# Allegro board 08_038702e.brd (continued)
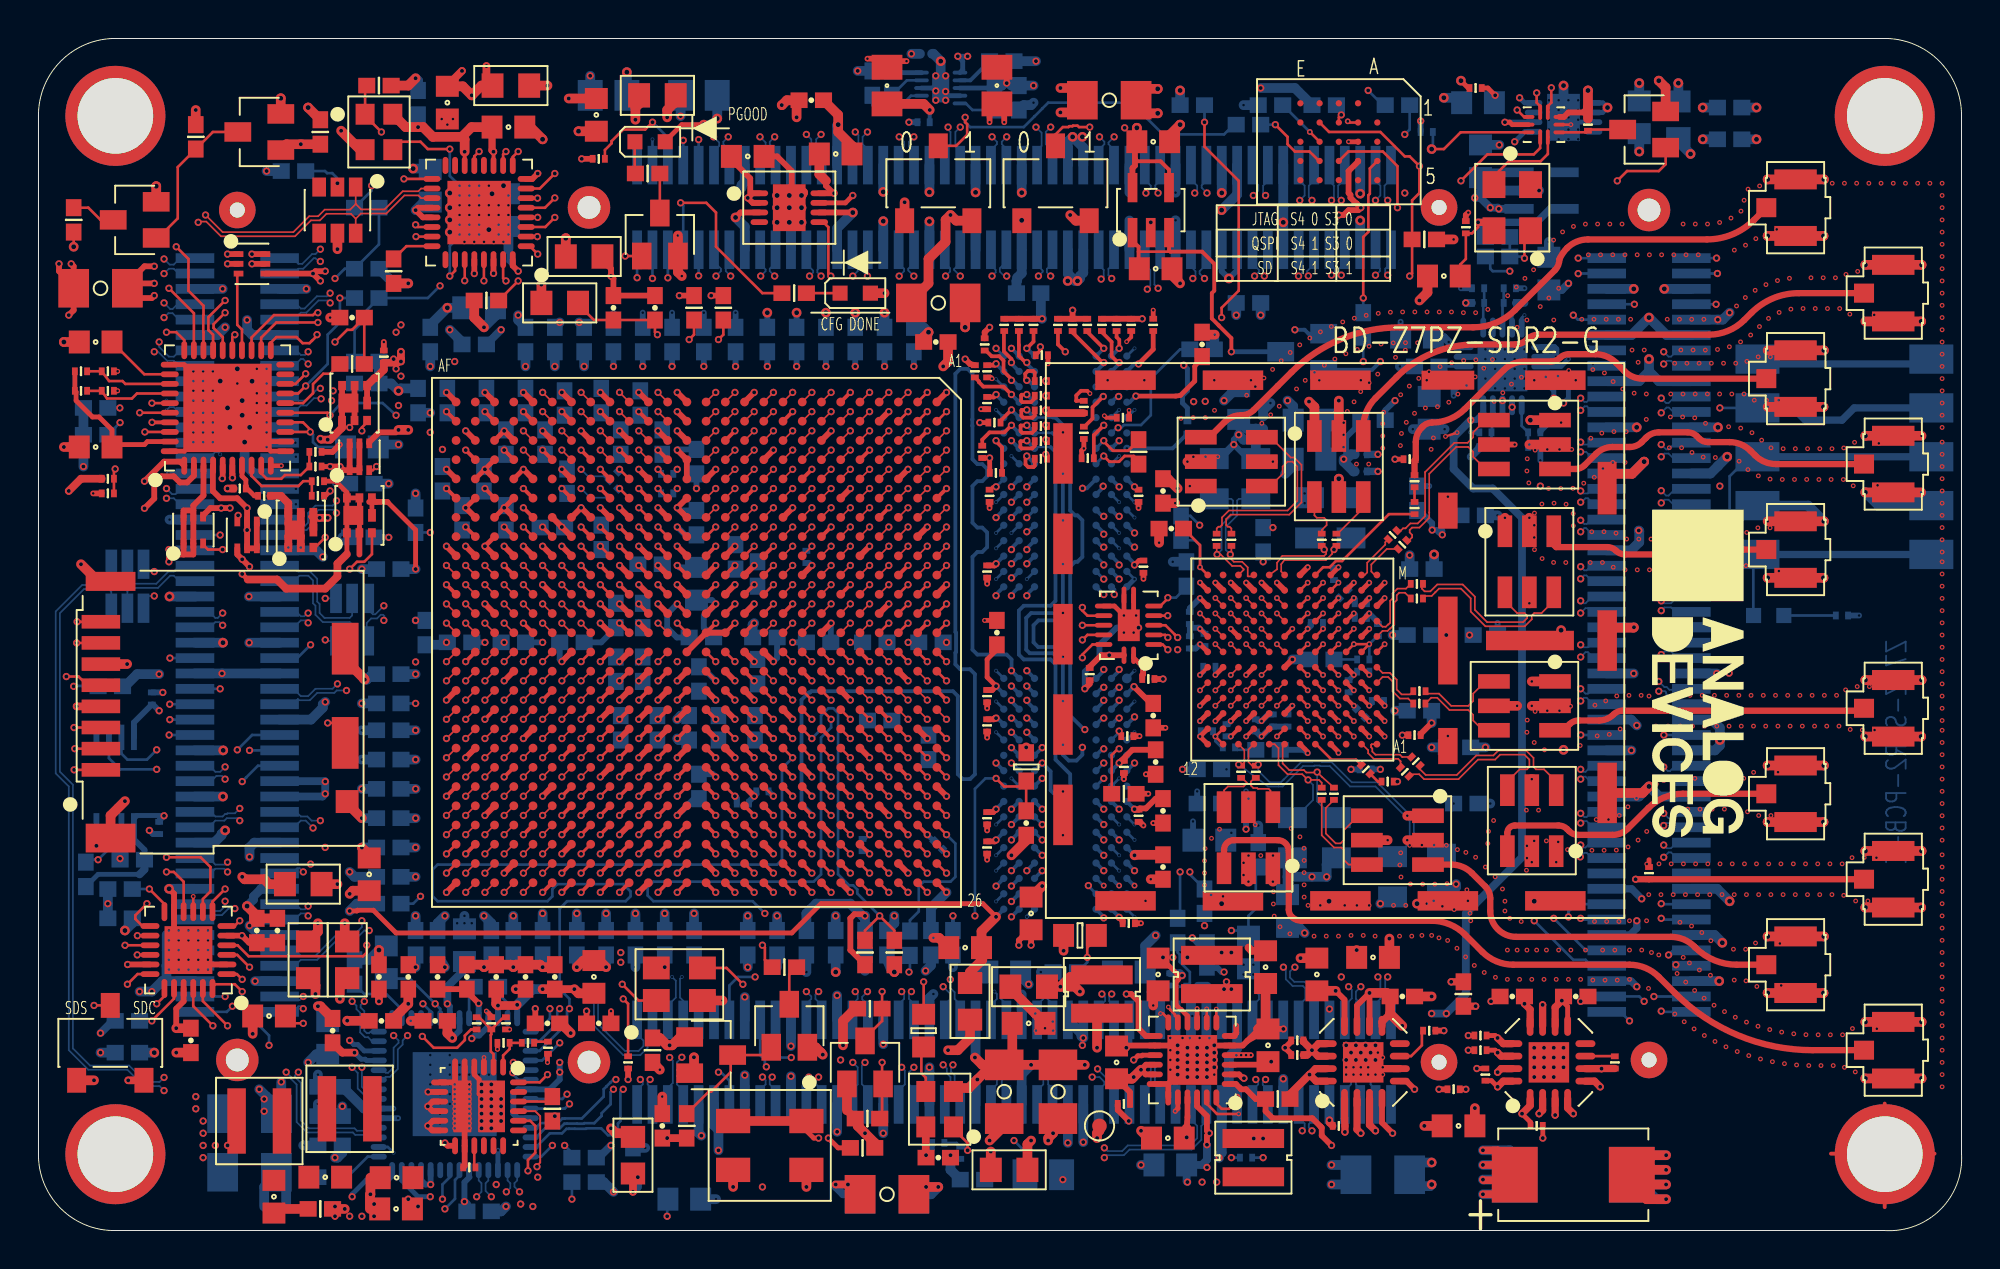
[diagram p0: board, top side]
## Routing (per net, layer and track width the routed paths; a pad name or vN(x,y) marks a point on that pad's centre or on a via; arc(x,y) is an arc through that point) (continued)
JX_VCCO_13_SEQ: length 4.7
  TOP w0.14: R71.1 R72.2 13.77,38.97 13.51,38.72 11.61,38.72 11.08,39.24 U7.8
JX_VCCO_33_34: length 14.4
  TOP w0.254: R73.1 v1(15.17,39.73)
  TOP w0.305: Q10.5 Q10.2 Q10.1 ; Q10.1 Q10.6 ; Q10.1 15.86,39.54 v1(15.67,39.73) v1(15.17,39.73)
  L14_SIG w0.508: v1(15.67,39.73) v1(15.17,39.73)
  BOTTOM w0.508: JX2.79 62.33,9.47 61.9,9.04 61.9,7.22 61.52,6.84 61.52,6.56 JX2.78 ; JX2.80 v1(62.33,6.92) 62.28,6.97 61.77,6.97 61.53,6.72 JX2.78 ; v1(61.39,3.79) 61.39,3.92 61.53,4.05 JX2.78
JX_VCCO_33_34_SEQ: length 4
  TOP w0.14: R74.1 R73.2 13.64,39.29 12.82,39.29 12.63,39.1 11.86,39.1 11.58,39.38 U7.9
JX_VIN: length 29.7
  TOP w0.305: Q13.1 15.79,42.71 Q13.PAD1 ; Q13.5 16.44,43.36 Q13.PAD1 ; Q13.PAD1 16.44,42.71 Q13.2 ; Q13.PAD1 15.79,43.36 Q13.6
  TOP w0.406: Q13.1 15.79,41.75 15.17,41.13 v1(15.04,41.13) 14.71,41.13 v1(14.66,41.18)
  L7_SIG w0.406: v1(54.33,10.01) 54.28,9.97 v1(54.28,9.63) 54.28,9.3 53.9,8.92 53.9,6.46 54.33,6.03 v1(54.33,4.6)
  L17_SIG w0.406: v1(53.53,4.56) 54.29,4.56 v1(54.33,4.6)
  BOTTOM w0.203: v1(65.33,46.84) 65.84,46.84 66.04,46.64 D1.1
  BOTTOM w0.254: JX2.59 v1(54.33,10.01)
  BOTTOM w0.508: JX1.60 54.33,49.81 54.15,49.64 54.15,49.51 v5(54.03,49.38) 53.9,49.38 53.53,49.76 JX1.58 ; JX1.59 54.33,56.32 v5(53.77,56.88) 53.53,56.63 JX1.57 ; v1(35.36,4.17) 35.36,5.23 35.13,5.47 JX2.12 ; v1(53.53,4.56) JX2.58 ; v1(54.33,10.01) 54.24,10.11 54.24,10.23 53.53,10.94 JX2.57 ; JX2.60 v1(54.33,4.6)
  vias: v1(15.24,43.16) v1(15.32,43.67) v1(16.18,41.76) v3(58.73,21.7) v3(59.23,21.7) v5(53.52,49.38) v5(54.28,56.88)
MGTAVCC: length 10.5
  TOP w0.203: U1.AD6 v1(23.22,38.59) ; U1.AB6 v1(25.22,38.59) ; U1.T6 v1(31.22,38.59) ; U1.U4 v1(30.22,40.59) ; U1.R4 v1(32.22,40.59) ; U1.AA8 v1(26.22,36.59) ; U1.AC8 v1(24.22,36.59) ; U1.AE8 v1(22.22,36.59) ; U1.AA4 v1(26.22,40.59) ; U1.Y6 v1(27.22,38.59)
  TOP w0.305: Q8.4 8.56,37.19 8.94,37.57 v1(9.5,37.57) v1(9.96,37.57)
  BOTTOM w0.305: C222.1 v1(18.21,36.05)
  BOTTOM w0.508: v1(26.22,40.59) 26.34,40.46 C64.1 ; C220.1 v1(18.21,38.84)
MGTAVCC_EN: length 16.3
  TOP w0.14: v1(9.58,35.41) 8.82,35.41 8.56,35.67 Q8.3 ; v1(10.21,46.59) 10.08,46.46 U7.25
  L3_SIG w0.095: v1(10.21,46.59) 11.74,45.07 11.74,37.7 10.81,36.77 9.41,36.77 8.94,36.3 8.94,35.67 9.2,35.41 v1(9.58,35.41)
MGTAVTT: length 11.4
  TOP w0.203: U1.W4 v1(28.22,40.59) ; U1.AB7 v1(25.22,37.59) ; U1.AF6 v1(21.22,38.59) ; U1.AF2 v1(21.22,42.59) ; U1.Y2 v1(27.22,42.59) ; U1.V2 v1(29.22,42.59) ; U1.AD2 v1(23.22,42.59) ; U1.T2 v1(31.22,42.59) ; U1.AC4 v1(24.22,40.59) ; U1.AB2 v1(25.22,42.59) ; U1.AE4 v1(22.22,40.59)
  TOP w0.305: v1(10.97,34.53) v1(10.59,34.91) 10.34,35.16 Q7.4
  BOTTOM w0.508: C221.1 v1(20.37,42.53) ; 19.61,37.57 v1(19.61,38.34) ; v1(24.22,40.59) 24.31,40.49 C234.1 ; C223.1 v1(20.37,44.94)
MGTAVTT_EN: length 14.7
  TOP w0.14: U7.26 9.58,46.46 9.1,46.94 9.1,47.13 v1(9.7,47.73) ; v1(10.38,37.19) 10.34,37.15 Q7.3
  L3_SIG w0.095: v1(10.38,37.19) 10.38,37.62 11.12,38.36 11.12,41.34 11.38,41.6 11.38,41.94 11.1,42.22 11.1,43.42 9.7,44.81 9.7,46.49 9.36,46.83 9.36,47.11 9.7,47.45 v1(9.7,47.73)
MGTREFCLK0_112_JX1_N: length 66.9
  L14_SIG w0.089: v1(33.22,39.59) 33.58,39.22 33.86,39.22 34.22,39.58 34.22,43.69 33.82,44.08 33.82,45.18 34.6,45.96 36.27,45.96 36.76,46.44 36.76,48.35 37.16,48.75 39.2,48.75 39.31,48.85 39.31,51.3 39.8,51.8 41.96,51.8 43.31,53.15 44.89,53.15 44.9,53.14 45.18,53.14 45.44,53.4 45.85,53.4 46.05,53.6 46.49,53.6 47.73,54.85 56.08,54.85 57.6,56.37 58.7,56.37 59.11,55.97 59.11,55.08 59.21,54.97 60.14,54.97 60.25,55.08 60.25,55.97 60.65,56.37 62.01,56.37 62.41,55.97 62.41,54.57 62.51,54.46 63.32,54.46 63.43,54.57 63.43,55.97 63.83,56.37 71.05,56.37 71.3,56.12 71.3,55.1 71.05,54.85 66.47,54.85 66.22,54.59 v1(66.22,53.58)
  BOTTOM w0.089: v1(66.22,53.58) 66.05,53.74 66.05,54.34 66.33,54.61 JX1.89 ; C45.1 33.01,39.38 v1(33.22,39.59)
MGTREFCLK0_112_JX1_P: length 66.8
  L14_SIG w0.089: v1(65.58,53.58) 65.97,53.96 65.97,54.08 65.84,54.21 65.84,54.46 65.97,54.59 65.97,54.7 66.37,55.1 66.53,55.1 66.53,55.1 70.94,55.1 71.05,55.2 71.05,56.01 70.94,56.12 63.93,56.12 63.68,55.86 63.68,54.46 63.43,54.21 62.41,54.21 62.16,54.46 62.16,55.86 61.9,56.12 60.76,56.12 60.5,55.86 60.5,54.97 60.25,54.72 59.11,54.72 58.85,54.97 58.85,55.86 58.6,56.12 57.71,56.12 56.19,54.59 47.84,54.59 46.6,53.35 46.16,53.35 45.96,53.15 45.55,53.15 45.28,52.89 44.79,52.89 44.79,52.89 43.42,52.89 42.07,51.54 39.91,51.54 39.56,51.19 39.56,48.75 39.31,48.5 37.26,48.5 37.01,48.24 37.01,46.34 36.37,45.7 34.7,45.7 34.08,45.08 34.08,44.19 34.47,43.8 34.47,39.48 33.96,38.97 33.58,38.97 33.58,38.95 v1(33.22,38.59)
  BOTTOM w0.089: C47.1 33.01,38.38 v1(33.22,38.59) ; v1(65.58,53.58) 65.84,53.83 65.84,54.34 65.53,54.65 JX1.87
MGTREFCLK1_112_JX3_N: length 68.5
  L3_SIG w0.089: v1(13.77,12.17) 13.58,11.98 13.01,11.98 12.77,11.75 12.77,10.91 14.53,9.15 14.53,4.58 14.93,4.17 15.93,4.17 16.18,3.92 16.18,3.56 16.58,3.16 17.83,3.16 18.09,3.41 18.09,10.9 18.3,11.11 18.3,12.06 18.49,12.26 19.95,12.26 20.37,12.68 22.26,12.68 22.66,13.08 22.66,16.62 22.15,17.13 20.75,17.13 20.5,17.38 20.5,35.56 20.73,35.8 20.95,35.8 21.08,35.92 29.46,35.92 29.88,36.34 29.88,38.84 29.49,39.22 28.69,39.22 28.68,39.22 28.59,39.22 v1(28.22,39.59)
  BOTTOM w0.089: v1(13.77,12.17) 13.58,11.98 13.45,11.98 13.26,12.17 JX3.4 ; v1(28.22,39.59) 28.58,39.22 29.39,39.22 29.61,39 C48.1
MGTREFCLK1_112_JX3_P: length 68.4
  L3_SIG w0.089: v1(28.22,38.59) 27.96,38.34 27.83,38.34 27.74,38.42 27.74,38.97 27.92,39.15 28.3,39.15 28.48,38.96 28.78,38.96 28.79,38.97 29.39,38.97 29.63,38.73 29.63,36.45 29.36,36.18 20.97,36.18 20.84,36.05 20.63,36.05 20.25,35.67 20.25,17.28 20.65,16.87 22.04,16.87 22.4,16.51 22.4,13.19 22.15,12.94 20.27,12.94 19.84,12.51 18.39,12.51 18.04,12.16 18.04,11.22 17.83,11.01 17.83,3.52 17.73,3.41 16.69,3.41 16.44,3.66 16.44,4.02 16.03,4.43 15.04,4.43 14.78,4.68 14.78,9.25 13.02,11.01 13.02,11.64 13.11,11.73 13.58,11.73 v1(13.77,11.54)
  BOTTOM w0.089: C46.1 28.69,38.11 v1(28.22,38.59) ; v1(13.77,11.54) 13.64,11.67 13.51,11.67 13.22,11.37 JX3.2
MGTXRX0_112_JX1_N: length 66.8
  TOP w0.089: U1.AB3 v1(25.22,41.59)
  L6_SIG w0.089: v1(66.03,49.65) 66.35,49.33 66.35,49.18 66.17,49 65.97,49 65.84,48.88 65.84,47.99 65.44,47.59 65.19,47.59 64.61,47.02 63.31,47.02 63.22,47.1 62.61,47.1 62.53,47.02 61.89,47.02 61.77,46.89 61.38,46.89 61.16,46.86 59.61,46.86 59.38,47.1 58.71,47.1 58.47,46.86 57.68,46.86 57.64,46.83 57.15,46.83 56.87,47.1 55.32,47.1 55.06,47.35 55.06,48.24 54.81,48.5 52.99,48.5 52.48,47.99 45.39,47.99 44.38,46.97 36.99,46.97 35.72,45.7 20.1,45.7 19.99,45.6 19.99,39.33 20.1,39.22 21.54,39.22 21.64,39.33 21.64,40.33 21.63,40.34 21.63,40.83 21.97,41.18 22.04,41.25 24.88,41.25 v1(25.22,41.59)
  BOTTOM w0.089: JX1.90 66.33,50.25 65.97,49.89 65.97,49.71 v1(66.03,49.65)
MGTXRX0_112_JX1_P: length 66.8
  TOP w0.089: U1.AB4 v1(25.22,40.59)
  L6_SIG w0.089: v1(25.22,40.59) 24.81,41 22.15,41 22.08,40.92 22.08,40.92 21.88,40.73 21.88,40.45 21.9,40.43 21.9,39.22 21.64,38.97 19.99,38.97 19.74,39.22 19.74,45.7 19.99,45.96 35.61,45.96 36.88,47.23 44.25,47.23 45.26,48.24 52.38,48.24 52.88,48.75 54.71,48.75 54.92,48.75 55.32,48.35 55.32,47.46 55.42,47.35 56.98,47.35 57.25,47.08 57.53,47.08 57.57,47.12 58.37,47.12 58.6,47.35 59.48,47.35 59.72,47.12 61.15,47.12 61.16,47.12 61.19,47.14 61.66,47.14 61.79,47.27 62.42,47.27 62.5,47.35 63.33,47.35 63.41,47.27 64.51,47.27 65.09,47.85 65.34,47.85 65.58,48.09 65.58,49.57 v1(65.52,49.64)
  BOTTOM w0.089: JX1.88 65.53,50.11 65.75,49.89 65.75,49.87 v1(65.52,49.64)
MGTXRX1_112_JX1_N: length 67.9
  TOP w0.089: U1.Y3 v1(27.22,41.59)
  L4_SIG w0.089: v1(67.74,53.58) 67.74,53.91 67.62,54.03 67.62,54.57 66.83,55.35 36.08,55.35 30.54,49.81 30.54,49.75 28.65,47.86 27.76,47.86 27.44,47.54 27.44,47.09 27.36,47 27.36,46.1 27.76,45.7 33.22,45.7 33.83,45.09 33.83,40.6 33.47,40.24 29.09,40.24 28.81,40.52 28.81,40.83 28.46,41.18 27.82,41.18 27.78,41.22 27.59,41.22 v1(27.22,41.59)
  BOTTOM w0.089: v1(67.74,53.58) 67.58,53.74 67.58,54.34 67.93,54.69 JX1.93
MGTXRX1_112_JX1_P: length 68
  TOP w0.089: U1.Y4 v1(27.22,40.59)
  L4_SIG w0.089: v1(67.24,53.58) 67.24,53.91 67.36,54.03 67.36,54.46 66.73,55.1 36.19,55.1 30.79,49.7 30.79,49.64 28.75,47.61 27.87,47.61 27.69,47.44 27.69,46.98 27.61,46.9 27.61,46.21 27.87,45.96 33.33,45.96 34.09,45.19 34.09,40.49 33.58,39.99 28.98,39.99 28.55,40.42 28.55,40.73 28.35,40.92 27.71,40.92 27.68,40.96 27.48,40.96 27.34,41.11 27.21,41.11 27.1,41 27.1,40.7 v1(27.22,40.59)
  BOTTOM w0.089: JX1.91 67.13,54.57 67.36,54.34 67.36,53.7 v1(67.24,53.58)
MGTXRX2_112_JX1_N: length 66.8
  TOP w0.089: U1.V3 v1(29.22,41.59)
  L6_SIG w0.089: v1(29.22,41.59) 28.88,41.25 27.08,41.25 26.88,41.45 26.88,41.76 26.46,42.18 22,42.18 21.9,42.28 21.9,43.82 22,43.92 32.31,43.92 32.31,43.92 32.35,43.92 32.55,43.73 32.55,43.68 32.56,43.67 32.56,42.25 32.82,42 34.09,42 34.34,42.25 34.34,43.67 34.6,43.92 36.35,43.92 38.38,45.96 49.18,45.96 49.46,46.23 51.9,46.23 51.96,46.29 52.24,46.29 52.29,46.23 63.94,46.23 64.86,45.31 66.95,45.31 67.74,46.1 67.74,48.88 67.87,49 68,49 68.2,49.21 68.2,49.38 68.07,49.51 67.92,49.51 v1(67.74,49.69)
  BOTTOM w0.089: v1(67.74,49.69) 67.62,49.81 67.62,50.02 67.93,50.33 JX1.94
MGTXRX2_112_JX1_P: length 66.8
  TOP w0.089: U1.V4 v1(29.22,40.59)
  L6_SIG w0.089: v1(67.24,49.69) 67.49,49.43 67.49,46.21 66.84,45.56 64.97,45.56 64.04,46.49 52.4,46.49 52.34,46.55 51.85,46.55 51.8,46.49 49.35,46.49 49.07,46.21 38.28,46.21 36.25,44.18 34.49,44.18 34.09,43.78 34.09,42.36 33.98,42.25 32.92,42.25 32.82,42.36 32.82,43.78 32.81,43.79 32.81,43.83 32.46,44.18 32.42,44.18 21.9,44.18 21.64,43.92 21.64,42.18 21.9,41.92 26.35,41.92 26.63,41.65 26.63,41.34 26.97,41 28.81,41 v1(29.22,40.59)
  BOTTOM w0.089: JX1.92 67.13,50.29 67.4,50.02 67.4,49.85 v1(67.24,49.69)
MGTXRX3_112_JX1_N: length 66.8
  TOP w0.089: U1.T3 v1(31.22,41.59)
  L4_SIG w0.089: v1(70.16,53.58) 70.16,53.91 69.97,54.1 69.97,54.53 68.12,56.37 35,56.37 28.13,49.5 26.97,49.5 25.45,47.99 25.45,45.47 26.74,44.18 32.2,44.18 32.55,43.83 32.55,41.45 32.35,41.25 31.55,41.25 v1(31.22,41.59)
  BOTTOM w0.089: JX1.99 70.33,54.67 69.99,54.34 69.99,53.74 v1(70.16,53.58)
MGTXRX3_112_JX1_P: length 66.7
  TOP w0.089: U1.T4 v1(31.22,40.59)
  L4_SIG w0.089: v1(31.22,40.59) 31.17,40.64 31.17,41 31.24,41.07 31.37,41.07 31.45,41 32.46,41 32.81,41.34 32.81,43.94 32.31,44.43 26.85,44.43 25.71,45.57 25.71,47.88 27.07,49.25 28.24,49.25 35.1,56.12 68.02,56.12 69.71,54.42 69.71,54.1 69.52,53.91 v1(69.52,53.58)
  BOTTOM w0.089: JX1.97 69.53,54.59 69.78,54.34 69.78,53.83 v1(69.52,53.58)
MGTXTX0_112_JX3_N: length 67.3
  TOP w0.089: U1.AA1 v1(26.22,43.59)
  L3_SIG w0.089: v1(26.22,43.59) 25.79,43.16 25.48,43.16 25.46,43.18 24.45,43.18 22.91,41.64 22.91,40.47 21.9,39.46 21.9,38.21 20.88,37.19 19.86,37.19 19.02,36.35 19.02,34.06 18.59,33.64 18.59,31.52 19.02,31.1 19.02,15.88 19.42,15.48 21.54,15.48 21.64,15.37 21.64,14.95 21.54,14.84 19.42,14.84 19.02,14.44 19.02,13.29 18.91,13.19 13.87,13.19 13.77,13.29 13.77,13.72 13.87,13.82 18.06,13.82 18.47,14.23 18.47,19.26 18.06,19.67 17.07,19.67 16.82,19.41 16.82,18.4 17.07,18.14 17.16,18.14 17.42,17.89 17.42,16.56 17.16,16.31 17.08,16.31 v1(16.82,16.11)
  BOTTOM w0.089: v1(16.82,16.11) 16.82,15.78 16.38,15.35 15.46,15.35 14.4,14.29 13.64,14.29 13.36,14.57 JX3.10
MGTXTX0_112_JX3_P: length 67.3
  TOP w0.089: U1.AA2 v1(26.22,42.59)
  L3_SIG w0.089: v1(26.22,42.59) 25.9,42.91 25.37,42.91 25.35,42.92 24.56,42.92 23.17,41.53 23.17,40.37 22.15,39.35 22.15,38.1 20.99,36.94 19.97,36.94 19.27,36.24 19.27,33.96 18.85,33.53 18.85,31.63 19.27,31.2 19.27,15.98 19.53,15.73 21.64,15.73 21.9,15.48 21.9,14.84 21.64,14.59 19.53,14.59 19.27,14.33 19.27,13.19 19.02,12.94 13.77,12.94 13.51,13.19 13.51,13.82 13.77,14.08 17.96,14.08 18.21,14.33 18.21,19.16 17.96,19.41 17.18,19.41 17.07,19.31 17.07,18.5 17.18,18.4 17.27,18.4 17.67,17.99 17.67,16.46 17.41,16.2 17.41,15.76 v1(17.2,15.6)
  BOTTOM w0.089: JX3.8 13.33,13.77 13.64,14.08 14.49,14.08 15.55,15.13 16.47,15.13 16.94,15.6 v1(17.2,15.6)
MGTXTX1_112_JX3_N: length 67.3
  TOP w0.089: U1.W1 v1(28.22,43.59)
  L18_SIG w0.089: v1(9.7,17.13) 9.86,17.13 10.2,17.47 11.13,18.4 11.86,18.4 13.01,19.54 13.01,24.24 14.78,26.02 15.67,26.02 16.69,27.03 17.32,27.03 18.09,27.79 18.09,29.83 17.58,30.33 17.14,30.33 16.56,30.92 16.56,32.31 16.38,32.49 15.93,32.49 15.67,32.24 15.67,30.08 15.42,29.83 13.13,29.83 12.75,30.21 12.75,32.11 12.37,32.49 12.24,32.49 11.61,33.13 11.61,38.52 12.06,38.97 12.69,38.97 13.13,38.52 13.13,35.69 12.75,35.31 12.75,35 12.67,34.92 12.67,34.64 12.75,34.56 12.75,34.25 12.98,34.02 17.45,34.02 18.98,35.54 18.98,39.01 20.12,40.16 20.12,40.75 22.59,43.22 27.84,43.22 v1(28.22,43.59)
  BOTTOM w0.089: JX3.15 8.84,16.97 9.2,16.62 9.45,16.62 9.7,16.87 v1(9.7,17.13)
MGTXTX1_112_JX3_P: length 67.3
  TOP w0.089: U1.W2 v1(28.22,42.59)
  L18_SIG w0.089: v1(28.22,42.59) 27.84,42.96 22.69,42.96 20.37,40.64 20.37,40.05 19.23,38.91 19.23,35.44 17.56,33.76 12.88,33.76 12.5,34.14 12.5,34.45 12.42,34.53 12.42,35.02 12.5,35.11 12.5,35.41 12.88,35.8 12.88,38.42 12.58,38.72 12.16,38.72 11.86,38.42 11.86,33.23 12.35,32.75 12.48,32.75 13.01,32.22 13.01,30.31 13.24,30.08 15.31,30.08 15.42,30.19 15.42,32.34 15.82,32.75 16.48,32.75 16.82,32.41 16.82,31.02 17.25,30.59 17.68,30.59 18.34,29.93 18.34,27.69 17.43,26.78 16.79,26.78 15.78,25.76 14.89,25.76 13.26,24.13 13.26,19.43 11.97,18.14 11.23,18.14 10.21,17.12 v1(10.21,16.75)
  BOTTOM w0.089: v1(10.21,16.75) 9.88,16.75 9.54,16.4 9.2,16.4 8.97,16.17 JX3.13
MGTXTX2_112_JX3_N: length 67.3
  TOP w0.089: U1.U1 v1(30.22,43.59)
  L3_SIG w0.089: v1(14.02,16.87) 14.35,16.87 14.48,16.75 14.59,16.75 14.78,16.94 14.78,18.76 17.58,21.55 17.58,28.81 17.07,29.32 15.93,29.32 15.67,29.06 11.61,29.06 11.36,29.32 11.36,30.84 11.61,31.1 14.15,31.1 14.4,31.35 15.42,31.35 15.67,31.1 17.22,31.1 17.32,31.2 17.32,33.4 17.22,33.51 11.76,33.51 11.36,33.91 11.36,35.41 11.61,35.67 17.32,35.67 17.58,35.92 17.58,36.41 18.68,37.51 18.68,39.44 19.61,40.37 19.61,43.03 21.08,44.51 28.43,44.51 28.88,44.05 28.88,43.45 29.08,43.25 29.13,43.25 29.72,43.25 29.75,43.22 29.84,43.22 v1(30.22,43.59)
  BOTTOM w0.089: v1(14.02,16.87) 13.86,16.71 13.64,16.71 13.38,16.97 JX3.16
MGTXTX2_112_JX3_P: length 67.3
  TOP w0.089: U1.U2 v1(30.22,42.59)
  L3_SIG w0.089: v1(30.22,42.59) 29.84,42.96 29.65,42.96 29.61,43 29.03,43 28.97,43 28.63,43.34 28.63,43.95 28.32,44.25 21.19,44.25 19.86,42.93 19.86,40.26 18.94,39.33 18.94,37.41 17.83,36.3 17.83,35.82 17.43,35.41 11.71,35.41 11.61,35.31 11.61,34.02 11.86,33.76 17.32,33.76 17.58,33.51 17.58,31.1 17.32,30.84 15.57,30.84 15.31,31.1 14.51,31.1 14.25,30.84 11.71,30.84 11.61,30.74 11.61,29.42 11.71,29.32 15.57,29.32 15.82,29.57 17.18,29.57 17.83,28.92 17.83,21.44 15.04,18.65 15.04,16.83 14.7,16.49 14.48,16.49 14.35,16.36 v1(14.02,16.36)
  BOTTOM w0.089: JX3.14 13.32,16.17 13.64,16.49 13.9,16.49 v1(14.02,16.36)
MGTXTX3_112_JX3_N: length 67.7
  TOP w0.089: U1.R1 v1(32.22,43.59)
  L18_SIG w0.089: v1(9.83,19.16) 10.16,19.16 10.29,19.03 11.05,19.03 11.31,19.29 11.31,19.37 11.74,19.79 11.74,24.24 14.53,27.03 15.01,27.03 15.72,27.75 16.16,27.75 16.35,27.95 16.35,28.23 16.09,28.48 16.09,28.75 15.9,28.94 14.78,28.94 14.28,28.43 12.12,28.43 11.74,28.81 11.74,30.46 8.43,33.76 8.43,39.61 8.82,39.99 10.85,39.99 11.23,40.37 11.23,41.45 11.38,41.61 11.38,42.68 11.61,42.91 13.51,42.91 13.9,42.53 13.9,41.99 13.69,41.78 13.69,40.23 13.9,40.02 13.9,39.62 14.28,39.24 15.91,39.24 16.05,39.1 17.63,39.1 17.97,39.43 18.19,39.43 19.23,40.47 19.23,41 19.78,41.55 19.78,43.59 20.5,44.3 29.33,44.3 29.88,43.76 29.88,43.45 30.09,43.24 31.86,43.24 v1(32.22,43.59)
  BOTTOM w0.089: JX3.21 8.86,19.37 9.2,19.03 9.7,19.03 v1(9.83,19.16)
MGTXTX3_112_JX3_P: length 67.7
  TOP w0.089: U1.R2 v1(32.22,42.59)
  L18_SIG w0.089: v1(32.22,42.59) 31.82,42.98 29.99,42.98 29.63,43.34 29.63,43.65 29.23,44.05 20.6,44.05 20.04,43.48 20.04,41.45 19.48,40.9 19.48,40.37 18.3,39.18 18.07,39.18 17.74,38.84 15.95,38.84 15.8,38.99 14.17,38.99 13.64,39.52 13.64,39.91 13.43,40.12 13.43,41.88 13.64,42.09 13.64,42.42 13.41,42.65 11.71,42.65 11.64,42.57 11.64,41.5 11.48,41.35 11.48,40.26 10.95,39.73 8.92,39.73 8.69,39.5 8.69,33.87 11.99,30.57 11.99,28.92 12.22,28.68 14.17,28.68 14.68,29.19 16.01,29.19 16.35,28.85 16.35,28.59 16.61,28.33 16.61,27.84 16.26,27.5 15.83,27.5 15.11,26.78 14.64,26.78 11.99,24.13 11.99,19.69 11.56,19.26 11.56,19.19 11.15,18.78 10.29,18.78 10.16,18.65 v1(9.83,18.65)
  BOTTOM w0.089: v1(9.83,18.65) 9.67,18.82 9.2,18.82 8.95,18.57 JX3.19
Net_65: length 0.6
  TOP w0.14: v6(70,30.49) 69.6,30.09
PG_1P8V: length 16.7
  TOP w0.305: U19.4 69.86,5.61 v1(70.41,5.06) ; v1(67.24,4.43) 66.73,4.93 66.73,5.35 66.68,5.4 66.66,5.42 66.24,5.84 64.17,5.84 63.81,6.2 R81.1 63.3,6.84 62.79,7.35 62.54,7.35 62.26,7.62 U4.1
  TOP w0.381: v1(79.81,6.08) 79.51,6.37 U20.4
  L3_SIG w0.406: v1(37.64,2.27) 37.26,2.27 36.37,3.16 35.17,3.16 34.47,3.86 v1(34.47,4.93)
  BOTTOM w0.508: v1(34.47,4.93) 34.33,5.08 JX2.10
PG_MODULE: length 90.9
  TOP w0.14: v1(30.41,12.05) 30.66,11.79 R43.2 ; U7.21 12.08,46.17 12.37,46.46 13.42,46.46 13.74,46.15 14.09,46.15 14.22,46.27 14.22,46.27 14.49,46.54 v1(14.49,46.59) ; Q14.1 v1(30.51,50.68)
  L3_SIG w0.095: v1(30.41,12.05) 30.91,12.05 31.93,13.06 v3(34.22,13.06)
  L14_SIG w0.095: v1(30.51,50.68) 30.48,50.65 29.26,50.65 27.23,48.62 20.25,48.62 19.36,47.73 16.31,47.73 15.17,46.59 v1(14.49,46.59)
  L18_SIG w0.095: v1(30.51,50.68) 30.53,50.65 30.53,47.86 31.42,46.97 32.35,46.97 32.61,46.72 32.61,44.8 32.8,44.6 33.41,44.6 34.72,43.29 34.72,36.43 35.23,35.93 35.36,35.93 35.56,35.73 35.56,34.04 35.78,33.82 35.78,33.15 36,32.93 36.36,32.93 36.54,32.75 36.64,32.75 36.88,32.51 36.88,32.45 37.07,32.25 37.14,32.25 37.27,32.11 37.37,32.11 37.75,31.73 37.75,31.35 39.18,29.93 39.36,29.93 39.56,29.73 39.56,29.55 39.88,29.23 39.88,28.63 39.55,28.31 39.45,28.31 38.88,27.73 38.88,27.11 38.7,26.93 38.07,26.93 37.88,26.73 37.55,26.73 37.36,26.93 35.07,26.93 34.93,26.78 33.51,26.78 33.36,26.93 33.07,26.93 32.88,26.73 32.88,26.11 32.7,25.93 32.06,25.93 31.16,25.03 30.17,25.03 29.78,24.64 29.78,24.36 29.45,24.03 29.17,24.03 28.88,23.73 28.88,23.45 28.39,22.97 27.12,22.97 26.82,22.67 26.82,20.27 26.93,20.15 27.45,20.15 27.83,19.76 27.83,18.44 28.12,18.15 28.45,18.15 28.78,17.82 28.78,17.49 29.44,16.83 29.66,16.83 30.63,15.86 32.95,15.86 34.6,14.21 34.6,13.44 v3(34.22,13.06)
  L19_GND w0.203: v3(34.22,13.06) 34.34,13.06 v4(35.13,12.28)
  BOTTOM w0.14: v4(35.13,12.28) JX2.11
PHY1_1V8: length 12.8
  TOP w0.406: E14.2 v1(30.91,2.01)
  TOP w0.508: C78.1 16.35,17.67 v1(16.18,17.51)
  BOTTOM w0.305: U10.11 19.89,2.62 20.12,2.39 v1(20.39,2.39) U10.10 ; U10.52 24.92,5.84 24.69,6.08 24.69,7.09 24.94,7.35 25.59,7.35 U10.49 26.59,7.34 27.1,7.86 v1(27.1,8.24) v1(27.1,8.74)
  BOTTOM w0.406: v1(30.91,2.01) 31.17,2.27 v1(31.17,2.78) ; v1(29.77,4.43) 29.14,3.79 R11.1
  BOTTOM w0.508: v1(15.42,3.79) 15.55,3.79 15.8,4.05 C74.1 ; C206.1 v1(15.8,6.46)
PHY1_AVDD_1V8: length 117.5
  TOP w0.305: v1(22.89,11.81) 22.28,12.43 C218.1 C201.1
  TOP w0.508: C203.1 18.47,11.03 v1(19.23,11.79) C211.1
  L3_SIG w0.406: v1(72.44,11.28) v1(73.2,11.28)
  L3_SIG w0.508: v1(72.44,11.28) 72.06,11.67 70.66,11.67 69.78,10.78 68,10.78 67.36,10.14 67.36,8.11 65.08,5.82 65.08,3.79 63.04,1.76 52.25,1.76 50.98,3.03 43.87,3.03 43.49,3.41 37.52,3.41 36.12,4.81 36.12,9.38 35.1,10.4 28.5,10.4 27.99,10.9 24.32,10.9 24.22,11 23.7,11 v1(22.89,11.81)
  L19_GND w0.305: v4(18.7,5.84) v3(19.21,5.84)
  L19_GND w0.406: v3(24.44,5.06) 24.44,4.68 23.93,4.17 v4(23.89,4.17)
  BOTTOM w0.254: U10.26 16.94,9.34 16.61,9.67 16.4,9.67 v1(16.18,9.89) ; v4(23.89,4.17) U10.3
  BOTTOM w0.305: v1(74.47,42.15) 74.74,42.15 75.13,42.53 U24.5 ; v1(21.26,11.79) 21.39,11.66 U10.35 ; U10.38 v1(22.89,11.81) ; v1(22.53,9.99) 22.69,10.14 22.91,10.14 23.39,10.62 U10.39 ; U10.19 v4(18.7,5.84)
  BOTTOM w0.406: v1(21.26,11.79) 21.26,12.68 22.15,13.57 C210.1 ; v1(74.47,42.15) 73.59,41.26 73.59,39.61 74.6,38.59 75.62,38.59 77.14,37.07 77.14,19.41 74.22,16.49 74.22,12.3 v1(73.2,11.28) v1(72.44,11.28)
  BOTTOM w0.508: v1(14.02,8.74) 14.44,9.16 C219.1
PHY1_AVDD_3V3: length 8.7
  TOP w0.406: v1(16.44,9.25) 15.8,9.25 C208.1 ; C49.1 v1(17.71,11.92)
  TOP w0.508: E15.2 v1(15.55,18.02) ; C217.1 v1(24.82,12.55)
  L19_GND w0.305: v4(18.46,6.34) 18.99,6.34 v3(19.23,6.59)
  BOTTOM w0.203: 16.96,6.34 U10.20
  BOTTOM w0.254: v1(16.44,9.25) 16.78,8.91 16.99,8.91 17.06,8.84 U10.25
  BOTTOM w0.305: U10.20 v4(18.46,6.34)
  BOTTOM w0.508: C214.1 16.93,6.34 16.96,6.34
PHY1_DVDD_1V0: length 22.4
  TOP w0.406: C63.1 v1(27.87,12.55)
  TOP w0.457: v1(24.89,11.74) 24.85,11.7 v1(23.89,11.7)
  TOP w0.508: v1(23.89,11.7) 23.8,11.79 C73.1 ; C58.1 28.08,12.34 v1(27.87,12.55) ; C63.1 v1(26.21,12.55)
  L6_SIG w0.508: v1(22.15,1.51) 22.15,2.01 23.29,3.16 23.8,3.16 24.94,4.3 24.94,4.8 24.98,4.84 24.98,5.29 24.94,5.33 24.94,5.95 25.71,6.71 25.71,9.63 24.89,10.45 v1(24.89,11.74)
  BOTTOM w0.254: 22.42,2.78 22.39,2.8 U10.6
  BOTTOM w0.305: U10.40 v1(23.89,11.7) ; v1(22.15,1.51) 22.15,2.51 22.42,2.78 ; U10.42 v1(24.89,11.74)
  BOTTOM w0.406: v1(22.15,1.51) 22.28,1.38 C75.1
  BOTTOM w0.508: v1(24.89,11.74) 25.71,12.55 v1(26.21,12.55)
PHY1_LED_0: length 78.2
  TOP w0.508: R14.1 v1(13.64,56.5) 12.9,56.5 Q2.1
  L18_SIG w0.254: v1(13.64,56.5) 10.72,56.5 2.97,48.75 2.97,23.22 1.58,21.83 1.58,10.01 4.75,6.84 6.91,6.84 7.42,6.33 7.42,3.41 8.82,2.01 16.05,2.01 v1(16.31,1.76)
  BOTTOM w0.254: U10.14 18.39,2.83 18.21,2.65 17.07,2.65 16.31,1.89 v1(16.31,1.76)
PHY1_LED_1: length 24.9
  TOP w0.508: Q1.1 33.38,10.07 32.95,9.63 v1(32.82,9.63) 32.69,9.63 32.31,10.01 R13.1
  L6_SIG w0.381: v1(32.82,9.63) 32.56,9.63 32.18,9.25
  L6_SIG w0.508: 32.18,9.25 32.18,8.62 32.44,8.36 32.44,7.6 31.04,6.2 31.04,4.17 29.01,2.14 29.01,1.38 28.16,0.53 20.63,0.53 20.37,0.78 v1(20.37,1.76)
  BOTTOM w0.254: U10.13 18.89,2.6 19.74,1.76 v1(20.37,1.76)
PHY1_VDD_3V3: length 103.3
  TOP w0.305: C50.1 v1(25.83,11.54) ; C225.1 v1(28.5,11.41)
  TOP w0.406: 33.71,4.81 v1(32.69,4.81)
  TOP w0.508: v1(15.67,12.05) 15.67,12.74 E16.2 ; C226.1 21.26,10.27 v1(21.52,10.01) ; R16.1 v1(8.18,58.27)
  L6_SIG w0.406: v3(16.75,4.36) 17.77,4.36 18.47,5.06 18.47,8.74 19.23,9.51 21.01,9.51 v1(21.52,10.01)
  L7_SIG w0.508: v1(32.69,4.81) 31.55,3.66 30.15,3.66 29.14,2.65 29.14,1.51 28.21,0.58 19.39,0.58 18.09,1.89 18.09,3.03 v3(16.75,4.36) 16.31,4.81 10.59,4.81 9.32,6.08 9.32,6.71 7.42,8.62 5.51,8.62 3.86,10.27 3.86,14.33 3.01,15.18 3.01,18.1 2.21,18.9 2.21,22.97 2.72,23.48 2.72,33.76 3.23,34.27 3.23,49.51 8.18,54.46 v1(8.18,58.27)
  BOTTOM w0.305: U10.36 21.89,10.39 v1(21.52,10.01)
PS-SRST#: length 70.3
  TOP w0.14: 43.74,5.82 43.87,5.95 43.87,7.58 Q5.2 43.87,7.68 v1(43.87,8.74) ; U1.A22 v1(47.22,21.59)
  L15_SIG w0.095: v1(68.89,45.19) 68.89,39.22 70.03,38.08 70.03,34.65 71.3,33.38 71.3,27.03 70.41,26.14 70.41,23.98 66.35,19.92 54.66,19.92 53.01,21.57 47.23,21.57 v1(47.22,21.59)
  L18_SIG w0.095: v1(43.87,8.74) 42.09,10.52 42.09,16.62 42.78,17.31 42.78,19.67 43.56,20.45 43.56,20.46 44.12,21.03 46.13,21.03 46.7,21.59 v1(47.22,21.59)
  BOTTOM w0.14: R19.1 v1(68.89,45.19)
PS_1.35V_EN: length 93.7
  TOP w0.14: U7.22 11.58,46.44 12.37,47.23 v1(14.53,47.23) ; U4.7 v2(61.25,11.52)
  L2_GND w0.203: v3(61.13,12.55) 61.13,11.75 61.25,11.64 v2(61.25,11.52)
  L3_SIG w0.095: v3(60.5,47.48) 60.5,46.84 60.25,46.59 60.25,44.18 58.47,42.4 58.47,35.16 60.04,33.6 60.04,24.24 60.12,24.15 60.12,23.85 60.37,23.6 60.37,19.54 60.63,19.29 60.63,17 59.72,16.09 59.72,15.78 59.92,15.58 60.4,15.58 61.13,14.85 v3(61.13,12.55)
  L6_SIG w0.095: v3(60.5,47.48) 60.5,48.5 59.7,49.3 59.7,49.4 57.81,51.29 27.67,51.29 27.59,51.2 27.25,51.2 27.17,51.29 19.61,51.29 15.42,47.1 14.66,47.1 v1(14.53,47.23)
PS_MIO00_500_JX4: length 48.2
  TOP w0.14: U1.E26 v1(43.22,17.59)
  L15_SIG w0.095: v1(43.22,17.59) 44.12,16.68 44.12,16.11 44.88,15.35 48.82,15.35 49.84,14.33 52.38,14.33 53.01,14.97 53.65,14.97 53.9,15.22 56.95,15.22 57.58,14.59 60.89,14.59 61.56,15.26 62.17,15.26 62.25,15.35 65.08,15.35 65.29,15.14 65.98,15.14 66.06,15.22 67.24,15.22 67.87,15.86 75.49,15.86 78.03,13.32 83.24,13.32 84,12.55 v1(84,12.17)
  BOTTOM w0.14: v1(84,12.17) JX4.97
PS_MIO01_500_QSPI0_SS_B: length 69.1
  TOP w0.14: U13.C2 67.62,57.89 v1(67.74,58.02) ; U1.D26 v1(44.22,17.59)
  L4_SIG w0.095: v1(67.74,58.02) 69.01,58.02 71.05,55.99 v1(71.05,53.96)
  L7_SIG w0.095: v1(44.22,17.59) 43.7,17.59 43.36,17.93 43.08,17.93 42.63,18.38 42.63,20.15 42.88,20.4 42.88,20.73 43.07,20.93 43.36,20.93 43.88,21.45 43.88,21.73 44.07,21.93 44.41,21.93 44.63,22.15 48.7,22.15 49.11,22.56 51.27,22.56 51.65,22.94 58.25,22.94 58.89,23.57 58.89,24.2 59.52,24.84 59.52,27.32 59.87,27.68 59.87,28.94 60.38,29.45 61.6,29.45 62.5,30.34 62.5,30.62 62.67,30.79 62.92,30.79 63.3,31.17 63.3,31.42 63.47,31.59 63.72,31.59 64.1,31.97 64.1,32.22 64.27,32.39 64.55,32.39 65.36,33.2 65.36,35.32 66.22,36.18 68.95,36.18 71.93,39.16 71.93,42.76 71.73,42.97 71.73,43.25 71.93,43.46 71.93,44.3 70.66,45.57 70.66,48.68 70.96,48.97 70.96,49.78 71.05,49.87 v1(71.05,53.96)